# Altium PCB Van Battery Controller V1.PcbDoc (part 2 of 3) (continued)
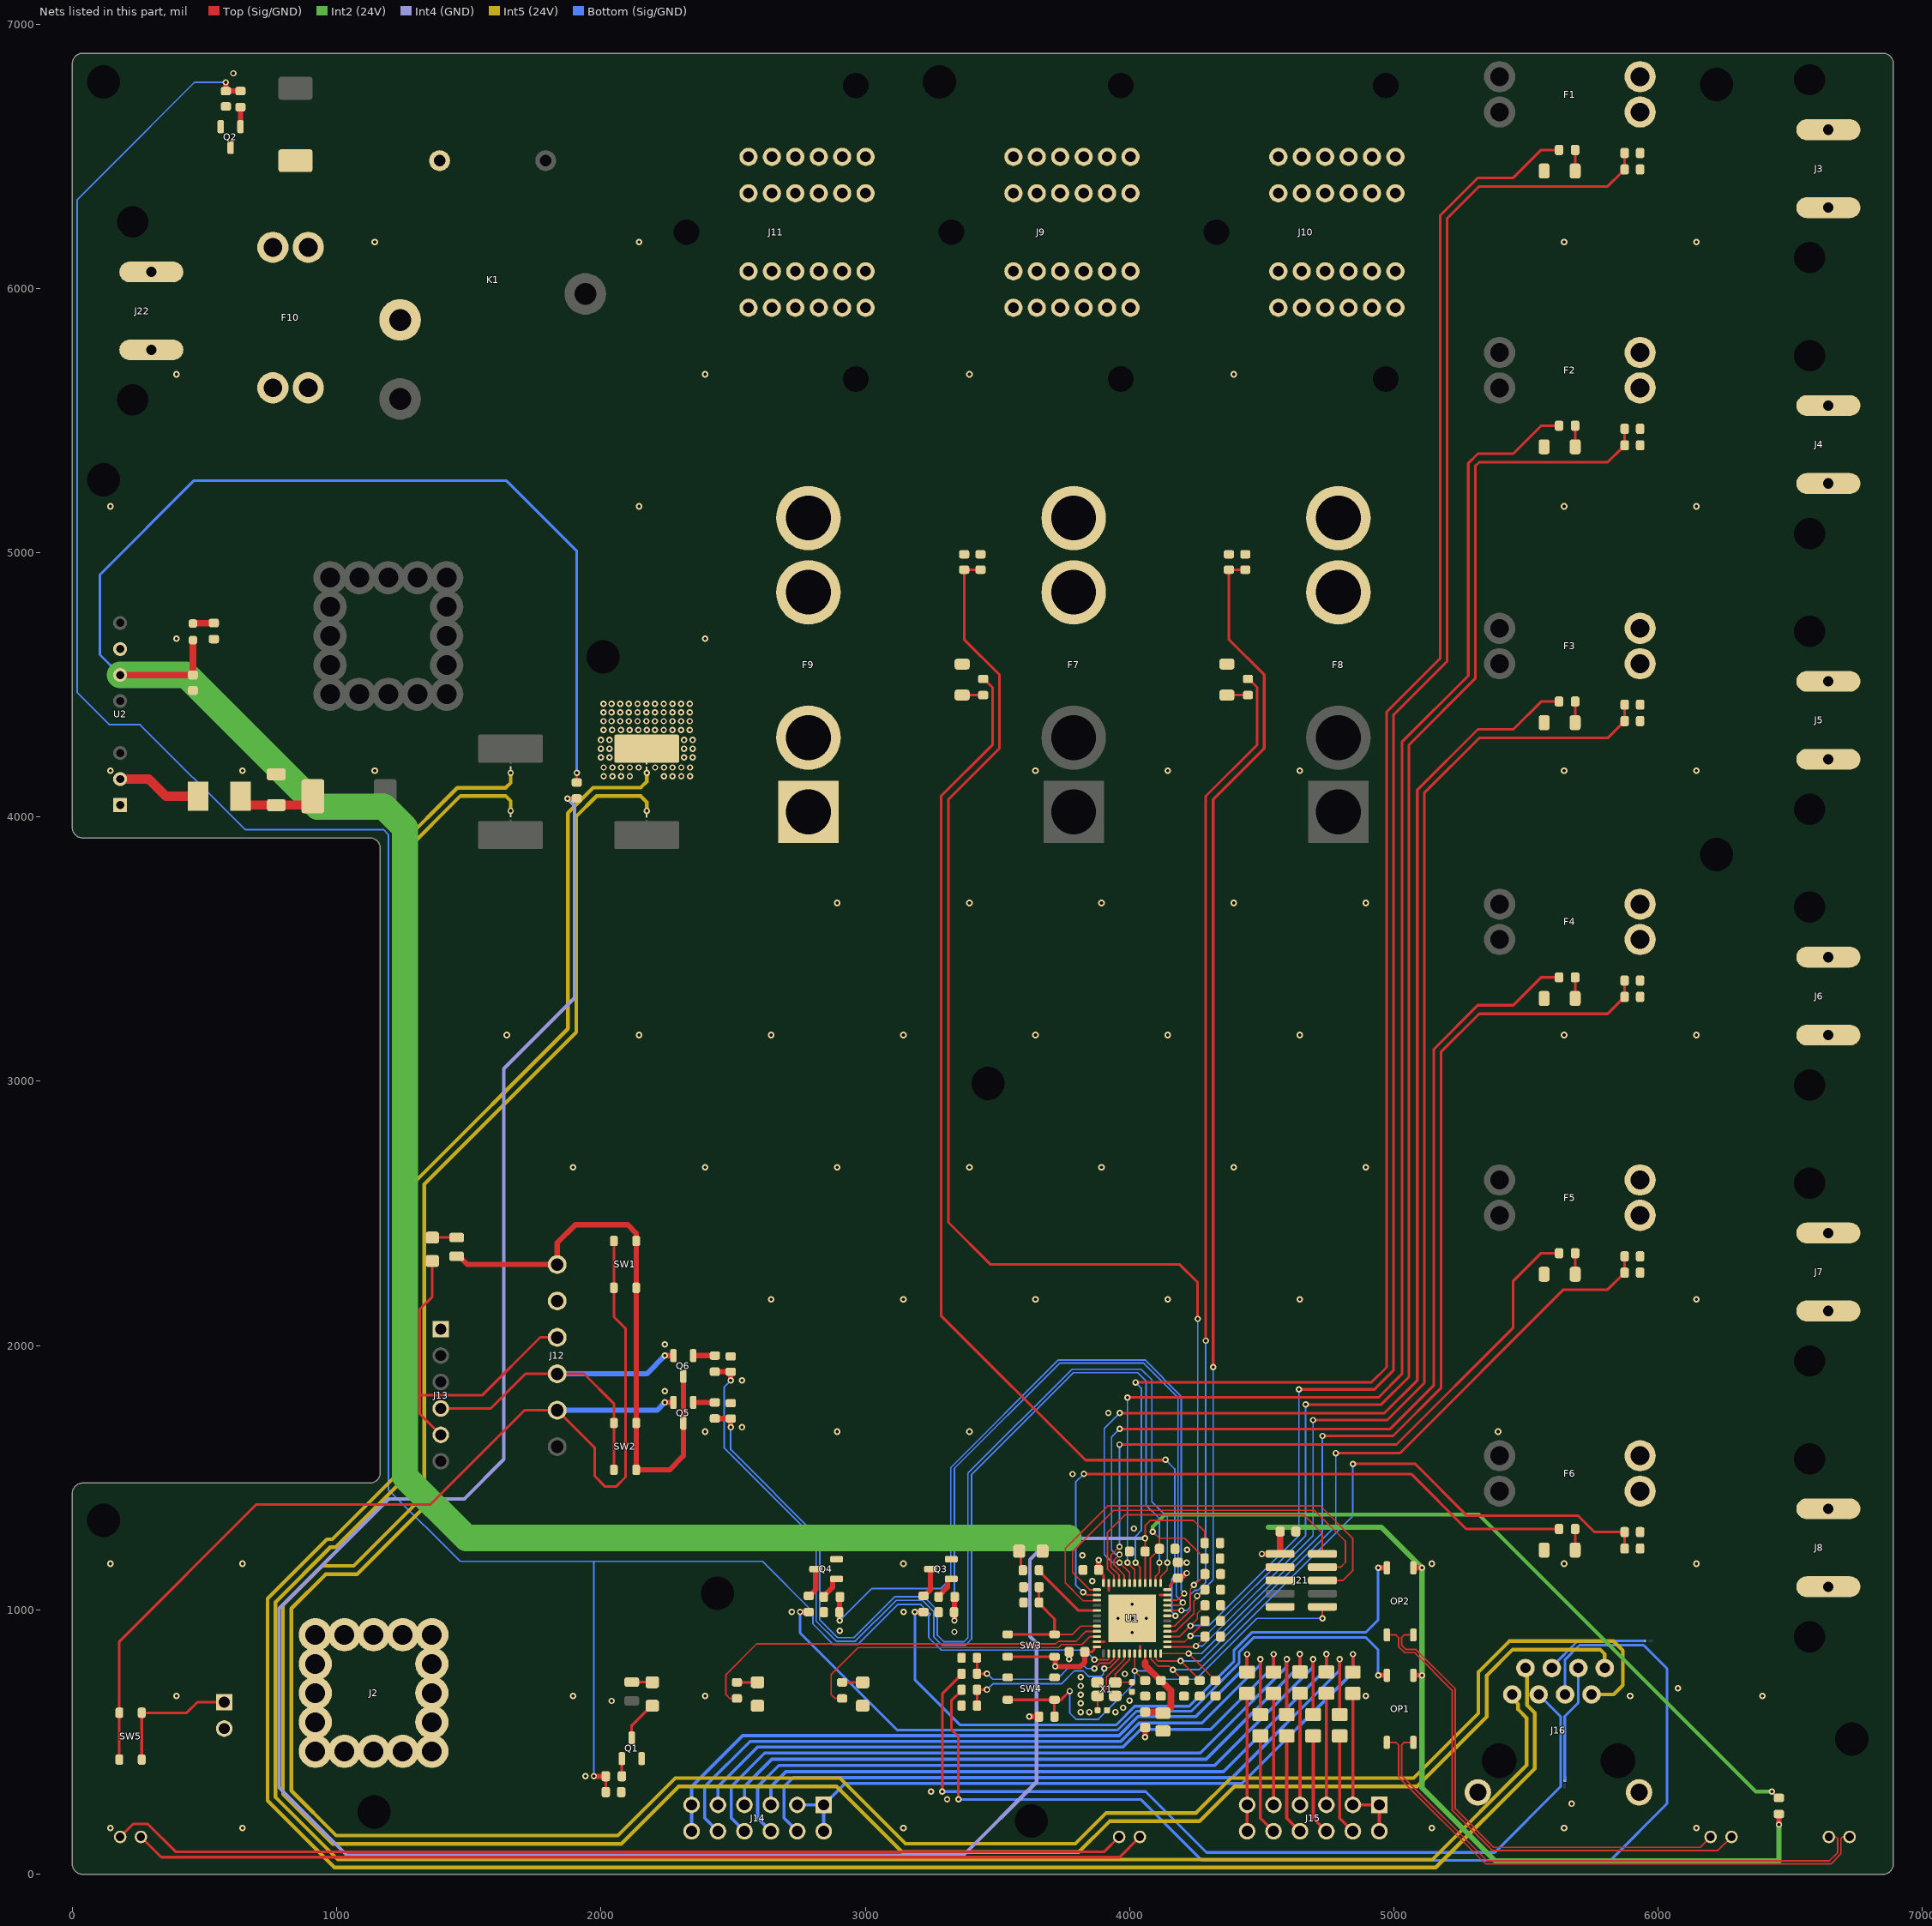
[diagram p8: the nets of this part, all layers, seen from the top]
## Nets (pads, with @x,y where several pads share a name; then routed paths per layer and width w, separated by ;. In a path a pad name is that pad's centre, name@x,y a point inside that pad or via, vN(x,y) a via of type N, cw(c..) or ccw(c..) an arc to the next point about the centre after c; other vN are vias at no path point) (continued)
30A_CKT2_FUSE_DETECT: C15.2 R11.1 R13.2 U1.14 | length 5910.1
  Top (Sig/GND) w6: U1.14@4142.91,879.72 4208.46,879.72 v1(4230.33,901.59) 4285.24,956.5 C15.2@4285.24,958.46
  Top (Sig/GND) w10: v1(4666.14,1777.36) 4952.56,1777.36 5056.89,1881.69 5056.89,4272.44 5307.87,4523.42 5307.87,5327.71 5322.64,5342.48 5809.19,5342.48 5860.62,5393.9 5862.44,5393.9 5873.17,5404.63 R13.2@5873.17,5406.45 R11.1@5873.17,5468.46
  Bottom (Sig/GND) w6: v1(4230.33,901.59) 4286.24,901.59 4666.14,1281.49 v1(4666.14,1777.36)
30A_CKT2_FUSE_LED: R25.1 U1.30 | length 5740.8
  Top (Sig/GND) w6: v1(3992.06,1179.17) 4019.49,1151.74 U1.30@4019.49,1101.57
  Top (Sig/GND) w10: v1(3992.06,1803.81) 4941.6,1803.81 5030.44,1892.65 5030.44,4283.4 5281.43,4534.38 5281.43,5338.67 5317.72,5374.96 5451.57,5374.96 5556.89,5480.27 R25.1@5624.8,5480.27
  Bottom (Sig/GND) w6: v1(3992.06,1179.17) v1(3992.06,1803.81)
30A_CKT3_FUSE_DETECT: C17.2 R15.1 R17.2 U1.13 | length 4858.3
  Top (Sig/GND) w6: U1.13@4142.91,860.04 4247.83,860.04 v1(4251.31,863.51) 4285.24,897.44 C17.2@4285.24,899.41
  Top (Sig/GND) w10: v1(4694.49,1718.43) 4975.32,1718.43 5114.83,1857.94 5114.83,4091.17 5322.64,4298.97 5809.19,4298.97 5860.62,4350.39 5862.44,4350.39 5873.17,4361.12 R17.2@5873.17,4362.95 R15.1@5873.17,4424.96
  Bottom (Sig/GND) w6: v1(4251.31,863.51) 4276.43,863.51 4694.49,1281.58 v1(4694.49,1718.43)
30A_CKT3_FUSE_LED: R27.1 U1.31 | length 4808.9
  Top (Sig/GND) w6: v1(3961.89,1179.17) 3999.8,1141.26 U1.31@3999.8,1101.57
  Top (Sig/GND) w10: v1@3961.89,1744.88 v1(3962.4,1744.88) 4964.37,1744.88 5088.39,1868.9 5088.39,4102.12 5317.72,4331.45 5451.57,4331.45 5556.89,4436.77 R27.1@5624.8,4436.77
  Bottom (Sig/GND) w6: v1(3961.89,1179.17) 3934.75,1179.17 3904.39,1209.53 3904.39,1686.87 v1(3962.4,1744.88)
30A_CKT4_FUSE_DETECT: C19.2 R19.1 R21.2 U1.12 | length 3950.7
  Top (Sig/GND) w6: U1.12@4117.91,835.04 v1(4223.29,835.04) C19.2@4325.27,733.06
  Top (Sig/GND) w10: v1(4729.7,1658.27) 4997.03,1658.27 5177.95,1839.19 5177.95,3110.78 5322.64,3255.47 5809.19,3255.47 5860.62,3306.89 5862.44,3306.89 5873.17,3317.62 R21.2@5873.17,3319.44 R19.1@5873.17,3381.45
  Bottom (Sig/GND) w6: v1(4223.29,835.04) 4272.05,835.04 4729.7,1292.68 v1(4729.7,1658.27)
30A_CKT4_FUSE_LED: R29.1 U1.32 | length 3756.6
  Top (Sig/GND) w6: v1(3961.89,1209.34) 3940.89,1188.34 3940.89,1170.36 3980.12,1131.14 U1.32@3980.12,1101.57
  Top (Sig/GND) w10: v1(3962.4,1684.84) 4986.02,1684.84 5151.38,1850.2 5151.38,3121.79 5317.63,3288.04 ; 5317.72,3287.95 5451.57,3287.95 5556.89,3393.26 R29.1@5624.8,3393.26
  Bottom (Sig/GND) w6: v1(3961.89,1209.34) 3960.12,1211.12 3945.97,1211.12 3931.72,1225.36 3931.72,1654.16 v1(3962.4,1684.84)
30A_CKT5_FUSE_DETECT: C14.2 R8.1 R10.2 U1.11 | length 2713.3
  Top (Sig/GND) w6: U1.11@4098.23,835.04 4100.54,832.72 4100.54,813.43 4106.92,807.06 v1(4193.49,807.06) C14.2@4265.52,735.03
  Top (Sig/GND) w10: v1(4780.31,1593.31) 5023.04,1593.31 5641.69,2211.96 5809.19,2211.96 R10.2@5860.62,2263.38 ; R10.2@5873.17,2275.94 R8.1@5873.17,2337.95
  Bottom (Sig/GND) w6: v1(4193.49,807.06) 4268.76,807.06 4780.31,1318.61 v1(4780.31,1593.31)
30A_CKT5_FUSE_LED: R24.1 U1.33 | length 2617.2
  Top (Sig/GND) w6: U1.33@3960.43,1101.57 3960.43,1132.01 3928.89,1163.55 3928.89,1206.51 v1(3961.89,1239.51)
  Top (Sig/GND) w10: v1(3961.89,1625.79) 5009.58,1625.79 5451.57,2067.78 5451.57,2244.44 5556.89,2349.76 R24.1@5624.8,2349.76
  Bottom (Sig/GND) w6: v1(3961.89,1239.51) v1(3961.89,1625.79)
30A_CKT6_FUSE_DETECT: C16.2 R12.1 R14.2 U1.10 | length 2496
  Top (Sig/GND) w6: U1.10@4078.54,835.04 4080.86,832.72 4080.86,813.43 4106.92,787.37 4150.33,787.37 v1(4163.79,773.91) 4204.64,733.06 C16.2@4205.78,733.06
  Top (Sig/GND) w10: v1@4844.68,1552.53 5080.94,1552.53 5277.1,1356.37 5697.37,1356.37 5759.3,1294.44 R12.1@5873.17,1294.44 R14.2@5873.17,1232.43
  Bottom (Sig/GND) w6: v1(4163.79,773.91) 4262.39,773.91 4844.68,1356.2 v1(4844.68,1551.96)
30A_CKT6_FUSE_LED: R26.1 U1.38 | length 2412.5
  Top (Sig/GND) w6: v1(3824.19,1066.7) 3829.06,1066.7 3838.87,1056.89 U1.38@3876.38,1056.89
  Top (Sig/GND) w10: v1(3827.31,1514.57) 5065.21,1514.57 5273.53,1306.25 5556.89,1306.25 R26.1@5624.8,1306.25
  Bottom (Sig/GND) w6: v1(3824.19,1066.7) 3796.06,1094.83 3796.06,1483.32 v1(3827.31,1514.57)
30A_CKT_1_FUSED: F1.3 F1.4 J3.1 R7.2
30A_CKT_2_FUSED: F2.3 F2.4 J4.1 R11.2
30A_CKT_3_FUSED: F3.3 F3.4 J5.1 R15.2
30A_CKT_4_FUSED: F4.3 F4.4 J6.1 R19.2
30A_CKT_5_FUSED: F5.3 F5.4 J7.1 R8.2
30A_CKT_6_FUSED: F6.3 F6.4 J8.1 R12.2
60A_CKT1_FUSE_DETECT: C18.2 R16.1 R18.2 U1.17 | length 5126.1
  Top (Sig/GND) w6: U1.17@4142.91,938.78 4169.94,938.78 4230.33,999.16 4230.33,1078.18 4243.35,1091.21 v1(4243.35,1094.86) ; v1@4244.89,1093.32 4285.24,1133.66 C18.2@4285.24,1135.63
  Top (Sig/GND) w10: R16.1@3436.19,4935.63 R18.2@3374.18,4935.63 3374.18,4671.45 3507.6,4538.03 3507.6,4259.57 3314.76,4066.73 3314.76,2466.34 3474.21,2306.89 4189.76,2306.89 4257.68,2238.98 v1(4257.68,2101.18)
  Bottom (Sig/GND) w6: v1(4243.35,1094.86) 4243.35,1095.9 4257.68,1110.23 v1(4257.68,2101.18)
60A_CKT1_FUSE_LED: R28.1 U1.19 | length 4224.9
  Top (Sig/GND) w6: U1.19@4142.91,978.15 v1(4173.81,978.15)
  Top (Sig/GND) w10: R28.1@3449.36,4522.28 3481.03,4490.62 3481.03,4272.84 3286.58,4078.4 3286.58,2113.71 3833.56,1566.73 4133.66,1566.73 v1(4135.63,1568.7)
  Bottom (Sig/GND) w6: v1(4135.63,1568.7) 4171.06,1533.27 4171.06,1128.74 4160.21,1117.89 4160.21,992.34 4173.81,978.75 v1(4173.81,978.15)
60A_CKT2_FUSE_DETECT: C20.2 R20.1 R22.2 U1.16 | length 4340.7
  Top (Sig/GND) w6: U1.16@4142.91,919.09 4175.89,919.09 4243.13,986.34 4243.13,1032.5 4285.24,1074.61 C20.2@4285.24,1076.57
  Top (Sig/GND) w10: v1(4316.37,1919.09) 4316.36,4066.73 4509.21,4259.57 4509.21,4538.03 4375.79,4671.45 R22.2@4375.79,4935.63 R20.1@4437.79,4935.63
  Bottom (Sig/GND) w6: v1(4255.38,1053.13) 4316.37,1114.12 v1(4316.37,1919.09)
60A_CKT2_FUSE_LED: R30.1 U1.20 | length 3732.3
  Top (Sig/GND) w6: U1.20@4142.91,997.83 4163.79,997.83 4165.12,999.16 4195.24,999.16 v1(4196.27,998.13)
  Top (Sig/GND) w10: v1(4288.19,2018.5) 4288.19,4078.4 4482.63,4272.84 4482.63,4490.62 4450.97,4522.28 R30.1@4447.82,4522.28
  Bottom (Sig/GND) w6: v1(4196.27,998.13) 4217.62,998.13 4229.13,1009.65 4229.13,1056.58 4246.68,1074.13 4257.59,1074.13 4288.19,1104.72 v1(4288.19,2018.5)
60A_CKT_1_FUSED: F7.3 F7.4 J9.1 J9.2 J9.3 J9.4 J9.5 J9.6 J9.7 J9.8 J9.9 J9.10 J9.11 J9.12 R16.2
60A_CKT_2_FUSED: F8.3 F8.4 J10.1 J10.2 J10.3 J10.4 J10.5 J10.6 J10.7 J10.8 J10.9 J10.10 J10.11 J10.12 R20.2
BOOT0: C8.2 R4.1 SW3.1 SW3.2 U1.44 | length 553.5
  Top (Sig/GND) w6: SW3.1@3716.18,907.54 3784.01,907.54 3815.24,938.78 U1.44@3876.38,938.78
  Top (Sig/GND) w10: SW3.2@3539.02,907.54 SW3.1@3716.18,907.54 3716.18,965.89 3657.28,1024.8 R4.1@3657.28,1028.14 3657.47,1028.34 3657.47,1086.02 C8.2@3657.67,1086.21
CELL_0: F12.1 J14.11 J14.12 | length 2570.6
  Top (Sig/GND) w12: F12.1@4444.68,765.05 v1(4444.68,832.72)
  Bottom (Sig/GND) w12: J14.12@2342.84,162.61 J14.11@2342.84,262.61 2342.84,331.5 2536.17,524.83 3960.14,524.83 4031.83,596.52 4250.43,596.52 4444.68,790.78 v1(4444.68,832.72)
CELL_0_FUSED: F12.2 J15.11 J15.12 | length 521.7
  Top (Sig/GND) w12: J15.12@4444.68,162.61 J15.11@4444.68,262.61 F12.2@4444.68,684.35
CELL_1: F13.1 J14.10 | length 2712.5
  Top (Sig/GND) w12: F13.1@4494.81,604.14 v1(4494.81,813.43)
  Bottom (Sig/GND) w12: J14.10@2442.84,162.61 2392.72,212.74 2392.72,331.5 2564.15,502.93 3967.14,502.93 4036.71,572.5 4274.14,572.5 4494.81,793.17 v1(4494.81,813.43)
CELL_1_FUSED: F13.2 J15.10 | length 381.5
  Top (Sig/GND) w12: F13.2@4494.81,523.43 4494.81,212.49 J15.10@4544.68,162.61
CELL_2: F14.1 J14.9 | length 2473.1
  Top (Sig/GND) w12: F14.1@4544.68,765.05 v1(4544.68,832.72)
  Bottom (Sig/GND) w12: J14.9@2442.84,262.61 2442.84,331.5 2592.49,481.14 3975.01,481.14 4042.13,548.26 4306.42,548.26 4544.68,786.53 v1(4544.68,832.72)
CELL_2_FUSED: F14.2 J15.9 | length 421.9
  Top (Sig/GND) w12: J15.9@4544.68,262.61 F14.2@4544.68,684.35 F14.2@4544.68,684.5
CELL_3: F15.1 J14.8 | length 2716.9
  Top (Sig/GND) w12: F15.1@4594.81,604.14 v1(4594.81,813.43)
  Bottom (Sig/GND) w12: J14.8@2542.84,162.61 2492.72,212.74 2492.72,331.5 2619.78,458.56 4267.62,458.56 4592.51,783.46 4592.51,811.14 v1(4594.81,813.43)
CELL_3_FUSED: F15.2 J15.8 | length 381.5
  Top (Sig/GND) w12: F15.2@4594.81,523.43 4594.81,212.49 J15.8@4644.68,162.61
CELL_4: F16.1 J14.7 | length 2471
  Top (Sig/GND) w12: F16.1@4644.45,765.29 v1(4644.45,832.96)
  Bottom (Sig/GND) w12: J14.7@2542.84,262.61 2542.84,331.5 2646.54,435.19 4289.52,435.19 4644.45,790.12 v1(4644.45,832.96)
CELL_4_FUSED: F16.2 J15.7 | length 422.1
  Top (Sig/GND) w12: J15.7@4644.68,262.61 F16.2@4644.68,684.74
CELL_5: F17.1 J14.6 | length 2717.5
  Top (Sig/GND) w12: F17.1@4694.49,604.14 v1(4694.49,813.43)
  Bottom (Sig/GND) w12: J14.6@2642.84,162.61 2592.72,212.74 2592.72,331.5 2673.04,411.82 4322.25,411.82 4693.87,783.43 4693.87,812.81 v1(4694.49,813.43)
CELL_5_FUSED: F17.2 J15.6 | length 381.5
  Top (Sig/GND) w12: F17.2@4694.81,523.43 4694.81,212.49 J15.6@4744.68,162.61
CELL_6: F18.1 J14.5 | length 2478.1
  Top (Sig/GND) w12: F18.1@4744.45,765.29 v1(4744.45,832.96)
  Bottom (Sig/GND) w12: J14.5@2642.84,262.61 2642.84,331.5 2699.79,388.45 4354.98,388.45 4744.45,777.91 v1(4744.45,832.96)
CELL_6_FUSED: F18.2 J15.5 | length 422
  Top (Sig/GND) w12: J15.5@4744.68,262.61 F18.2@4744.68,684.58
CELL_7: F19.1 J14.4 | length 2724.8
  Top (Sig/GND) w12: F19.1@4794.81,604.14 v1(4794.81,813.43)
  Bottom (Sig/GND) w12: J14.4@2742.84,162.61 2692.72,212.74 2692.72,331.5 2726.69,365.47 4388.11,365.47 4794.81,772.17 v1(4794.81,813.43)
CELL_7_FUSED: F19.2 J15.4 | length 381.5
  Top (Sig/GND) w12: F19.2@4794.81,523.43 4794.81,212.49 J15.4@4844.68,162.61
CELL_8: F20.1 J14.1 J14.2 J14.3 | length 2546.5
  Top (Sig/GND) w12: F20.1@4844.68,765.05 v1(4844.68,832.72)
  Bottom (Sig/GND) w12: J14.3@2742.84,262.61 J14.1@2842.84,262.61 ; J14.2@2842.84,162.61 J14.1@2842.84,262.61 ; v1(4844.68,832.72) 4844.68,762.99 4425.15,343.46 2923.69,343.46 J14.1@2842.84,262.61
CELL_8_FUSED: F20.2 J15.1 J15.2 J15.3 | length 622.1
  Top (Sig/GND) w12: F20.2@4844.68,684.74 F20.2@4844.68,684.35 J15.3@4844.68,262.61 J15.1@4944.68,262.61 J15.2@4944.68,162.61
CHG_SHNT_N: J16.7 NT3.1 | length 10532.1
  Int5 (24V) w14: v1@2173.49,4023.41 2173.49,4055.97 2150.28,4079.19 1983.71,4079.19 1906.47,4001.94 1906.47,3185.5 1331.67,2610.7 1331.67,1389.24 1077.88,1135.46 958.79,1135.46 828.72,1005.39 828.72,316.07 998.16,146.63 2063.95,146.63 2281.3,363.98 2904.13,363.98 3152.54,115.57 3794.78,115.57 3911.3,232.09 4251.25,232.09 4383.14,363.98 5074.61,363.98 5319.68,609.05 5319.68,765.06 5436.49,881.86 5831.32,881.86 5866.47,846.72 5866.47,715.37 5831.32,680.22 J16.7@5747.73,680.22
  other v1: 2173.71,4023.19
CHG_SHNT_P: J16.8 NT4.1 | length 10348.9
  Int5 (24V) w14: v1@2173.49,4166.63 2173.49,4134.07 2150.28,4110.85 1970.6,4110.85 1874.8,4015.06 1874.8,3198.62 1300,2623.82 1300,1402.36 1064.76,1167.13 945.67,1167.13 797.05,1018.5 797.05,302.95 985.04,114.96 2077.07,114.96 2294.42,332.31 2891.02,332.31 3139.42,83.9 3807.9,83.9 3924.42,200.42 4264.37,200.42 4396.26,332.31 5087.72,332.31 5351.35,595.94 5351.35,751.94 5449.61,850.2 5780.26,850.2 5797.73,832.72 J16.8@5797.73,780.22
  other v1: 2173.71,4166.85
DSCHG_SHNT_N: J16.1 NT2.1 | length 9593.9
  Int5 (24V) w14: v1@1658.05,4023.41 1658.27,4023.62 1658.27,4060.94 1639.42,4079.78 1468.94,4079.78 1255.44,3866.29 1255.44,1496.2 996.41,1237.17 976.11,1237.17 769.05,1030.1 769.05,291.35 1004.5,55.9 5145.81,55.9 5502.32,412.41 5502.32,590.98 5470,623.3 5470,644.02 5447.73,666.29 J16.1@5447.73,680.22
  other v1: 1658.27,4023.19
DSCHG_SHNT_P: J16.2 NT1.1 | length 9837.2
  Int5 (24V) w14: v1@1658.05,4166.63 1658.27,4166.41 1658.27,4129.1 1639.42,4110.25 1456.31,4110.25 1224.97,3878.91 1224.97,1508.82 983.79,1267.64 963.49,1267.64 738.58,1042.72 738.58,278.73 991.88,25.43 5158.43,25.43 5532.79,399.79 5532.79,610.48 5503.82,639.45 5503.82,774.13 J16.2@5497.73,780.22
  other v1: 1658.27,4166.85
EXT_IO_3_N: J16.3 R38.2 | length 3397
  Top (Sig/GND) w10: v1(3291.34,312.79) 3291.34,682.24 3364.37,755.27 R38.2@3364.37,758.62
  Bottom (Sig/GND) w10: v1(3291.34,312.79) 4060.83,312.79 4291.14,82.48 5381.69,82.48 5630.59,331.38 5630.59,597.37 J16.3@5547.73,680.22
EXT_IO_3_P: J16.6 NT5.1 | length 441.4
  Bottom (Sig/GND) w10: NT5.1@5646.59,360.04 5646.59,597.38 5697.73,648.52 J16.6@5697.73,780.22
EXT_IO_4_N: J16.5 R39.2 | length 4395.9
  Top (Sig/GND) w10: v1(3352.36,283.27) 3352.36,521.51 3325.61,548.26 3325.61,656.25 3364.37,695.02 R39.2@3364.37,698.36
  Bottom (Sig/GND) w10: v1(3352.36,283.27) 4042.13,283.27 4272.44,52.95 5819.68,52.95 6033.61,266.88 6033.61,778 5944.68,866.93 5702.55,866.93 5647.73,812.11 J16.5@5647.73,680.22
EXT_IO_4_P: J16.4 NT6.1 | length 391.2
  Bottom (Sig/GND) w10: J16.4@5597.73,780.22 5597.73,784.74 5695.92,882.93 NT6.1@5943.7,882.93
GIGAVAC_CLOSE_PULSE: R48.1 R49.2 U1.25 | length 4047.3
  Top (Sig/GND) w6: U1.25@4117.91,1101.57 4117.91,1126.55 4142.91,1151.55 v1(4142.91,1179.17)
  Top (Sig/GND) w20: R48.1@2431.12,1724.11 R49.2@2490.85,1724.11 ; v1(2490.94,1691.14) R49.2@2490.94,1724.02
  Bottom (Sig/GND) w6: v1(2490.94,1691.14) 2490.94,1606.8 2827.82,1269.92 2827.82,963.12 2895.91,895.03 2956.79,895.03 3111.38,1049.62 3222.33,1049.62 3272.44,999.51 3272.44,904.33 3297.05,879.72 3373.28,879.72 3388.58,895.03 3388.58,1517.52 3781.91,1910.84 4044.47,1910.84 4084.34,1870.97 4084.34,1409.06 4142.91,1350.49 v1(4142.91,1179.17)
GIGAVAC_OPEN_PULSE: R50.1 R51.2 U1.26 | length 4223.3
  Top (Sig/GND) w6: U1.26@4098.23,1101.57 4098.23,1127.49 4112.74,1142 v1(4112.74,1179.17)
  Top (Sig/GND) w20: R50.1@2431.03,1901.37 2431.12,1901.27 R51.2@2490.85,1901.27 ; v1(2490.85,1868.4) R51.2@2490.85,1901.27 ; R51.2@2490.94,1901.18 R51.2@2490.85,1901.27
  Bottom (Sig/GND) w6: v1(2490.85,1868.4) 2466.34,1843.89 2466.34,1612.45 2814.42,1264.37 2814.42,957.57 2890.36,881.63 2962.34,881.63 3116.93,1036.22 3216.78,1036.22 3259.04,993.96 3259.04,898.78 3291.5,866.32 3378.83,866.32 3401.98,889.48 3401.98,1511.97 3787.46,1897.44 4030.31,1897.44 4063,1864.76 4063,1395.27 4112.74,1345.52 v1(4112.74,1179.17)
GND: C1.1 C2.1 C3.1 C4.1 C5.1 C6.1 C7.1 C8.1 C9.1 C10.1 C11.1 C12.1 C13.1 C14.1 C15.1 C16.1 C17.1 C18.1 C19.1 C20.1 C21.1 C22.1 D4.C D5.C D6.C D7.C D8.C D9.C D10.C D11.C D12.C D13.C D16.C J2.1 J2.2 J2.3 J2.4 J2.5 J2.6 J2.7 J2.8 J2.9 J2.10 J2.11 J2.12 J2.13 J2.14 J2.15 J2.16 J3.2 J4.2 J5.2 J6.2 J7.2 J8.2 J9.13 J9.14 J9.15 J9.16 J9.17 J9.18 J9.19 J9.20 J9.21 J9.22 J9.23 J9.24 J10.13 J10.14 J10.15 J10.16 J10.17 J10.18 J10.19 J10.20 J10.21 J10.22 J10.23 J10.24 J11.13 J11.14 J11.15 J11.16 J11.17 J11.18 J11.19 J11.20 J11.21 J11.22 J11.23 J11.24 J12.2 J13.1 J16.0@5317.81,310.14 J16.0@5927.65,310.14 J21.3 J21.5 J21.9 J22.2 J23.2 Q1.2 Q2.2 Q3.2 Q4.2 R4.2 R5.2 R9.1 R10.1 R13.1 R14.1 R17.1 R18.1 R21.1 R22.1 R35.2 R37.2 R40.1 R41.1 R44.1 R45.1 R49.1 R51.1 R52.1 R54.1 SW4.1 SW4.2 U1.8 U1.23 U1.35 U1.47 U1.49 U2.1 U2.7 X1.2 X1.4 | length 115.7
  Top (Sig/GND) w10: U1.47@3876.38,879.72 3905.25,879.72 ; 3920.93,1072.57 3921.06,1072.7 U1.35@3921.06,1101.57 ; U1.8@4039.17,835.04 4039.17,863.91 ; 4114.04,1056.89 U1.23@4142.91,1056.89
  other v1: 5672.39,266.88 3309.61,283.27 3248.59,312.79 1941.91,370.87 3814.76,613.56 3847.84,613.56 3946.26,613.56 3975.24,629.91 3814.76,646.64 2040.33,655.94 4000.22,657.28 3814.76,679.71 6074.61,703.54 3814.76,712.79 3814.76,745.87 3981.83,758.27 3771.42,814.11 4009.65,914.96 3337.22,916.93 2903.08,921.46 3956.3,968.31 4009.65,968.31 4063,968.31 2722.24,992.36 3144.67,992.36 4009.65,1021.66 3859.31,1109.66 4216.3,1179.17 3821.98,1206.51 4216.89,1227.3 4016.35,1308.02 3784.03,1514.04 2533.7,1691.14 3919.65,1744.88 2241.54,1827.99 2533.6,1868.4 2241.54,2005.15 609.16,6813.51
  other v2: 144.02,174.92 644.02,174.92 3144.02,174.92 5144.02,174.92 5644.02,174.92 6144.02,174.92 394.02,674.92 1894.02,674.92 2394.02,674.92 4894.02,674.92 5894.02,674.92 6394.02,674.92 144.02,1174.92 644.02,1174.92 3144.02,1174.92 5144.02,1174.92 5644.02,1174.92 6144.02,1174.92 2394.02,1674.92 2894.02,1674.92 3394.02,1674.92 5394.02,1674.92 2644.02,2174.92 3144.02,2174.92 3644.02,2174.92 4144.02,2174.92 4644.02,2174.92 6144.02,2174.92 1894.02,2674.92 2394.02,2674.92 2894.02,2674.92 3394.02,2674.92 3894.02,2674.92 4394.02,2674.92 4894.02,2674.92 1644.02,3174.92 2144.02,3174.92 2644.02,3174.92 3144.02,3174.92 3644.02,3174.92 4144.02,3174.92 4644.02,3174.92 5644.02,3174.92 6144.02,3174.92 2894.02,3674.92 3394.02,3674.92 3894.02,3674.92 4394.02,3674.92 4894.02,3674.92 144.02,4174.92 644.02,4174.92 1144.02,4174.92 3644.02,4174.92 4144.02,4174.92 4644.02,4174.92 5644.02,4174.92 6144.02,4174.92 394.02,4674.92 2394.02,4674.92 144.02,5174.92 2144.02,5174.92 5644.02,5174.92 6144.02,5174.92 394.02,5674.92 2394.02,5674.92 3394.02,5674.92 4394.02,5674.92 1144.02,6174.92 2144.02,6174.92 5644.02,6174.92 6144.02,6174.92
GV_INTERNAL_V+: J12.1 Q5.3 Q6.3 R3.1 SW1.1 SW1.2 SW2.1 SW2.2 | length 2212
  Top (Sig/GND) w20: R3.1@1454.17,2337.72 1464.01,2337.72 1494.84,2306.89 J12.1@1834.45,2306.89 1834.45,2388.58 1903.35,2457.48 2101.41,2457.48 2133.46,2425.42 SW1.2@2133.46,2395.9 SW1.1@2133.46,2218.73 SW2.2@2133.46,1707.33 SW2.1@2133.46,1530.16 2259.49,1530.16 2311.81,1582.48 Q5.3@2311.81,1706.5 Q6.3@2311.81,1883.66
GV_LED_CATHODE/TX_TO_HOST: D1.C J12.3 J13.5 | length 1320.5
  Top (Sig/GND) w10: D1.C@1362.01,2320.28 1362.01,2185.16 1314.76,2137.92 1314.76,1812.81 ; J13.5@1394.13,1662.4 1314.76,1741.76 1314.76,1812.81 ; J12.3@1834.45,2031.3 1770.47,2031.3 1551.98,1812.81 1314.76,1812.81
GV_MPUSH_START/FTDI_VBATT+: J12.5 Q5.2 SW1.3 SW1.4 SW5.3 SW5.4 | length 4286.1
  Top (Sig/GND) w10: SW5.3@177.95,433.92 SW5.4@177.95,611.08 177.95,880.71 696.65,1399.41 1355.12,1399.41 1711.42,1755.71 J12.5@1834.45,1755.71 1976.97,1613.19 1976.97,1505.9 2016.54,1466.34 2056.84,1466.34 2093.31,1502.8 2093.31,2064.76 2048.82,2109.25 SW1.3@2048.82,2218.73 SW1.4@2048.82,2395.9
  Top (Sig/GND) w20: v1(2241.54,1785.24) Q5.2@2274.41,1785.24
  Bottom (Sig/GND) w20: J12.5@1834.45,1755.71 2211.67,1755.71 2241.19,1785.24 v1(2241.54,1785.24)
GV_MPUSH_STOP/RX_TO_HOST: J12.4 J13.4 Q6.2 SW2.3 SW2.4 | length 1474.8
  Top (Sig/GND) w10: J13.4@1394.13,1762.4 1583.26,1762.4 1714.37,1893.5 J12.4@1834.45,1893.5 1936.02,1893.5 2048.82,1780.7 SW2.4@2048.82,1707.33 SW2.3@2048.82,1530.16
  Top (Sig/GND) w20: v1(2241.54,1962.4) Q6.2@2274.41,1962.4
  Bottom (Sig/GND) w20: J12.4@1834.45,1893.5 2172.64,1893.5 v1(2241.54,1962.4)
HEATER_EN: R34.1 R35.1 R36.1 R37.1 U1.2 | length 10721
  Top (Sig/GND) w6: v1(3866.73,811.81) 3867.46,811.08 3917.42,811.08 3920.93,814.59 3920.93,834.91 U1.2@3921.06,835.04
  Top (Sig/GND) w10: R34.1@2018.07,370.87 2018.29,370.65 2018.29,311.04 R35.1@2018.5,310.83
  Top (Sig/GND) w20: R37.1@580.95,6746.68 v1(580.95,6779.56) ; R37.1@581.05,6746.58 R36.1@636.32,6746.58 ; v1(1972.94,370.87) R34.1@2018.07,370.87
  Bottom (Sig/GND) w6: v1(580.95,6779.56) 462.63,6779.56 132.68,6449.61 18,6334.93 18,4472.75 141.54,4349.21 256.69,4349.21 653.35,3952.56 1176.97,3952.56 1195.87,3933.66 1195.87,1455.31 1467.32,1183.86 1973.23,1183.86 ; v1(1972.94,370.87) 1972.94,1183.57 1973.23,1183.86 ; v1(3866.73,811.81) 3830.29,848.25 3287.18,848.25 3239.96,895.47 3239.96,976.98 3244.55,981.57 3244.55,986.54 3210.62,1020.47 3122.83,1020.47 2971.99,869.63 2879.65,869.63 2801.97,947.31 2801.97,993.24 2611.35,1183.86 1973.23,1183.86
JTAG_TCK/CLK: J21.4 U1.37 | length 1518.9
  Top (Sig/GND) w6: U1.37@3876.38,1076.57 3849.25,1076.57 3784.01,1141.82 3784.01,1221.02 3940.19,1377.19 4699.18,1377.19 4816.73,1259.65 4816.73,1179.92 4798.75,1161.94 J21.4@4729.7,1161.94
JTAG_TDO/TRACESWO: J21.6 U1.39 | length 1736.4
  Top (Sig/GND) w6: U1.39@3876.38,1037.2 3874.06,1034.89 3824.01,1034.89 3756.63,1102.27 3756.63,1232.36 3918.34,1394.07 4721.03,1394.07 4844.11,1270.99 4844.11,1148.25 4807.8,1111.94 J21.6@4729.7,1111.94
JTAG_TMS/DIO: J21.2 U1.34 | length 1148.7
  Top (Sig/GND) w6: U1.34@3940.75,1101.57 3940.75,1130.09 3916.89,1153.95 3916.89,1293.58 3983.63,1360.32 4657.99,1360.32 4729.7,1288.61 J21.2@4729.7,1211.94
NetC5_2: C5.2 D3.1 L1.1 | length 308.5
  Top (Sig/GND) w35: L1.1@636.24,4078.54 636.24,4066.62 657.74,4045.12 C5.2@771.46,4045.12 876.61,4045.12 D3.1@910.04,4078.54
NetD1_A: D1.A R3.2 | length 92.2
  Top (Sig/GND) w10: D1.A@1362.01,2408.86 1362.07,2408.92 1454.11,2408.92 R3.2@1454.17,2408.98
NetD2_C: D2.C R5.1 | length 79.6
  Top (Sig/GND) w25: D2.C@456.5,4732.09 457.5,4733.09 534.23,4733.09 R5.1@535.24,4734.09
NetD4_A: D4.A R23.2 | length 79.7
  Top (Sig/GND) w10: D4.A@5685.83,6444.05 R23.2@5685.83,6523.78
NetD5_A: D5.A R24.2 | length 79.7
  Top (Sig/GND) w10: D5.A@5685.83,2270.03 R24.2@5685.83,2349.76
NetD6_A: D6.A R25.2 | length 79.7
  Top (Sig/GND) w10: D6.A@5685.83,5400.55 R25.2@5685.83,5480.27
NetD7_A: D7.A R26.2 | length 79.7
  Top (Sig/GND) w10: D7.A@5685.83,1226.53 R26.2@5685.83,1306.25
NetD8_A: D8.A R27.2 | length 79.7
  Top (Sig/GND) w10: D8.A@5685.83,4357.04 R27.2@5685.83,4436.77
NetD9_A: D9.A R28.2 | length 79.7
  Top (Sig/GND) w10: D9.A@3366.49,4461.26 R28.2@3446.21,4461.26
NetD10_A: D10.A R29.2 | length 79.7
  Top (Sig/GND) w10: D10.A@5685.83,3313.54 R29.2@5685.83,3393.26
NetD11_A: D11.A R30.2 | length 79.7
  Top (Sig/GND) w10: D11.A@4368.1,4461.26 R30.2@4447.82,4461.26
NetD12_A: D12.A R46.2 | length 77.8
  Top (Sig/GND) w10: R46.2@2514.5,726.21 D12.A@2592.25,726.21
NetD13_A: D13.A R47.2 | length 77.8
  Top (Sig/GND) w10: R47.2@2912.5,726.21 D13.A@2990.25,726.21
NetD14_2: D14.2 K1.2 Q2.3
NetD15_A: D15.A R33.2 | length 78.2
  Top (Sig/GND) w10: R33.2@2116.5,727.2 2116.99,726.7 2193.76,726.7 D15.A@2194.25,726.21
NetD15_C: D15.C Q1.3 | length 155.2
  Top (Sig/GND) w10: Q1.3@2116.5,516.32 2116.5,562.83 2191.3,637.63 D15.C@2194.25,637.63
NetD16_A: D16.A R53.2 | length 78.2
  Top (Sig/GND) w10: D16.A@3582.3,1222.65 3589.27,1215.67 3589.27,1157.17 R53.2@3596.25,1150.19
NetF9_1: F9.1 F9.2 NT4.2 R2.2
  other v1: 2010.46,4154.35 2043.4,4154.35 2076.34,4154.35 2109.28,4154.35 2238.14,4154.35 2271.08,4154.35 2304.02,4154.35 2336.96,4154.35 2010.46,4187.28 2043.4,4187.28 2076.34,4187.28 2109.28,4187.28 2142.22,4187.28 2205.21,4187.28 2238.14,4187.28 2271.08,4187.28 2304.02,4187.28 2336.96,4187.28 1999.57,4225.47 2032.51,4225.47 2314.19,4225.47 2347.12,4225.47 1999.57,4258.41 2032.51,4258.41 2314.19,4258.41 2347.12,4258.41 1999.57,4291.34 2032.51,4291.34 2314.19,4291.34 2347.12,4291.34 2009.73,4329.53 2042.67,4329.53 2075.61,4329.53 2108.55,4329.53 2141.49,4329.53 2172.98,4329.53 2204.48,4329.53 2237.41,4329.53 2270.35,4329.53 2303.29,4329.53 2336.23,4329.53 2009.73,4362.47 2039.78,4362.47 2072.72,4362.47 2105.66,4362.47 2138.6,4362.47 2171.54,4362.47 2204.48,4362.47 2237.41,4362.47 2270.35,4362.47 2303.29,4362.47 2336.23,4362.47 2009.73,4395.4 2039.78,4395.4 2072.72,4395.4 2105.66,4395.4 2138.6,4395.4 2171.54,4395.4 2204.48,4395.4 2237.41,4395.4 2270.35,4395.4 2303.29,4395.4 2336.23,4395.4 2009.73,4428.34 2039.78,4428.34 2072.72,4428.34 2105.66,4428.34 2138.6,4428.34 2171.54,4428.34 2204.48,4428.34 2237.41,4428.34 2270.35,4428.34 2303.29,4428.34 2336.23,4428.34
NetF10_1: F10.1 F10.2 K1.4
NetL1_2: L1.2 U2.2 | length 322.3
  Top (Sig/GND) w35: U2.2@180.91,4143.54 289.13,4143.54 354.13,4078.54 L1.2@476.24,4078.54
NetOP1_2: OP1.2 R32.2 | length 2770.6
  Top (Sig/GND) w20: v1(2753.28,992.36) R32.2@2786.15,992.36 ; v1(4940.55,752.85) OP1.2@4973.42,752.85
  Bottom (Sig/GND) w10: v1(2753.28,992.36) 2753.28,913.4 3121.18,545.49 3954.39,545.49 4025.82,616.93 4233.07,616.93 4414.01,797.86 4414.01,840.51 4469.96,896.46 4893.14,896.46 4940.55,849.04 v1(4940.55,752.85)
NetOP2_2: OP2.2 R31.2 | length 2532.5
  Top (Sig/GND) w20: v1(3187.42,992.36) R31.2@3220.29,992.36 ; v1(4940.55,1159.47) OP2.2@4973.42,1159.47
  Bottom (Sig/GND) w10: v1(3187.42,992.36) 3187.42,736.4 3359.05,564.76 3948.61,564.76 4019.48,635.63 4225.32,635.63 4395.3,805.61 4395.3,848.25 4462.21,915.16 4893.01,915.16 4940.55,962.69 v1(4940.55,1159.47)
NetQ1_1: Q1.1 R34.2 | length 66.7
  Top (Sig/GND) w10: R34.2@2079.09,370.87 Q1.1@2079.09,437.58
NetQ2_1: Q2.1 R36.2 | length 73.8
  Top (Sig/GND) w20: Q2.1@636.32,6611.74 R36.2@636.32,6685.56
NetQ3_1: Q3.1 R42.2 | length 95.2
  Top (Sig/GND) w20: R42.2@3277.38,1049.44 3277.38,1052.59 3311,1086.21 3311,1115.15 3313.2,1117.36 Q3.1@3325.61,1117.36
NetQ3_3: Q3.3 R31.1 | length 114.2
  Top (Sig/GND) w20: R31.1@3220.29,1053.38 3223.44,1053.38 3246.87,1076.81 Q3.3@3246.87,1154.76
NetQ4_1: Q4.1 R43.2 | length 95.2
  Top (Sig/GND) w20: R43.2@2843.24,1049.44 2843.24,1052.59 2876.86,1086.21 2876.86,1115.15 2879.06,1117.36 Q4.1@2891.46,1117.36
NetQ4_3: Q4.3 R32.1 | length 114.2
  Top (Sig/GND) w20: R32.1@2786.15,1053.38 2789.3,1053.38 2812.72,1076.81 Q4.3@2812.72,1154.76
NetQ5_1: Q5.1 R48.2 | length 81.8
  Top (Sig/GND) w20: Q5.1@2349.21,1785.24 R48.2@2431.03,1785.24
NetQ6_1: Q6.1 R50.2 | length 81.8
  Top (Sig/GND) w20: Q6.1@2349.21,1962.4 R50.2@2431.03,1962.4
NetR53_1: R53.1 U1.41 | length 284.1
  Top (Sig/GND) w10: R53.1@3657.28,1150.19 3657.28,1147.04 3806.49,997.83 U1.41@3876.38,997.83
nRST: C11.2 J21.10 R6.2 SW4.3 SW4.4 U1.7 | length 1735.2
  Top (Sig/GND) w6: SW4.3@3715.94,659.83 SW4.3@3716.18,660.07 ; U1.7@4019.49,835.04 v1(4019.49,769.45) 4055.88,733.06 C11.2@4058.86,733.06 ; v1(4729.7,968.31) J21.10@4729.7,1011.94
  Top (Sig/GND) w10: SW4.4@3539.02,660.07 SW4.3@3716.18,660.07 3740.62,660.07 v1(3773.53,692.98) ; R6.2@3715.94,596.52 SW4.3@3715.94,659.83
  Bottom (Sig/GND) w6: v1(3773.53,692.98) 3773.53,610.53 3797.65,586.42 3881.94,586.42 4019.49,723.97 v1(4019.49,769.45) 4084.34,769.45 4116.1,737.68 4251.75,737.68 4482.37,968.31 v1(4729.7,968.31)
NTC_N: J17.1 J18.1 | length 3843.1
  Top (Sig/GND) w10: J18.1@259.65,141.53 336.42,64.76 3962.4,64.76 J17.1@4039.17,141.53
NTC_P: J17.2 J18.2 | length 3866
  Top (Sig/GND) w10: J18.2@180.91,141.53 229.13,189.76 286.22,189.76 390.55,85.43 3904.33,85.43 J17.2@3960.43,141.53
OSC_N: C10.2 U1.6 X1.3 | length 195.4
  Top (Sig/GND) w6: U1.6@3999.8,835.04 3999.8,811.81 3945.71,757.72 X1.3@3945.71,725.76 3946.3,726.35 C10.2@4009.15,726.35
OSC_P: C9.2 U1.5 X1.1 | length 254.8
  Top (Sig/GND) w6: C9.2@3878.78,620.63 X1.1@3878.78,674.58 ; X1.1@3882.72,674.58 3912.25,704.11 3912.25,745.37 3980.12,813.24 U1.5@3980.12,835.04
OV_CUTOFF_EXT_N: J20.1 OP1.3 | length 2101
  Top (Sig/GND) w6: OP1.3@4973.42,486.12 OP1.3@4973.42,498.91 5007.96,498.91 5017.57,489.3 5017.57,368.53 5347.13,38.98 6653.15,38.98 6691.1,76.93 6691.1,134.54 6698.1,141.53 J20.1@6724.19,141.53
OV_CUTOFF_EXT_P: J20.2 OP1.4 | length 2061.4
  Top (Sig/GND) w6: OP1.4@5073.42,486.12 OP1.4@5073.42,498.91 5038.89,498.91 5029.57,489.6 5029.57,373.5 5352.1,50.98 6648.18,50.98 6679.1,81.9 6679.1,133.97 6671.54,141.53 J20.2@6645.45,141.53
OV_DIGITAL_IN: R39.1 R41.2 U1.4 | length 693.2
  Top (Sig/GND) w6: v1(3904.39,778.08) 3907.83,781.52 3924.71,781.52 3960.43,817.24 U1.4@3960.43,835.04
  Top (Sig/GND) w10: R41.2@3422.64,638.11 R39.1@3422.64,698.36 v1(3460.39,698.36)
  Bottom (Sig/GND) w6: v1(3460.39,698.36) 3482.41,720.38 3742.19,720.38 3791.26,769.45 3824.25,769.45 3845.87,747.83 3891.54,747.83 3900.95,757.24 3900.95,774.63 v1(3904.39,778.08)
OV_INDICATE_LED: R47.1 U1.46 | length 1188.8
  Top (Sig/GND) w6: R47.1@2912.5,665.19 2885.33,665.19 2870.8,679.72 2870.8,755.74 2973.13,858.07 3730.12,858.07 3741.48,869.43 3820.22,869.43 3850.2,899.41 U1.46@3876.38,899.41
OV_TO_CHARGER: R43.1 R45.2 U1.22 | length 2920.2
  Top (Sig/GND) w6: R45.2@2901.9,991.37 R45.2@2903.08,992.55 ; R43.1@2903.08,1048.26 R43.1@2904.26,1049.44 ; U1.22@4142.91,1037.2 4181.54,1037.2 v1(4206.7,1062.37)
  Top (Sig/GND) w20: v1(2903.08,959.68) 2903.08,992.55 R43.1@2903.08,1048.26
  Bottom (Sig/GND) w6: v1(2903.08,959.68) 3023.91,1080.51 3285.24,1080.51 3323.62,1118.9 3323.62,1538.43 3730.86,1945.67 4058.11,1945.67 4195.3,1808.48 4195.3,1074.89 4206.7,1063.48 v1(4206.7,1062.37)
SOLAR_IN: F9.3 F9.4 J11.1 J11.2 J11.3 J11.4 J11.5 J11.6 J11.7 J11.8 J11.9 J11.10 J11.11 J11.12
THERMISTOR_PCBA_ISOALTED: C22.2 NTC2.1 R54.2 U1.27 | length 3272.9
  Top (Sig/GND) w6: U1.27@4078.54,1101.57 4078.54,1195.21 4112.74,1229.41 C22.2@4112.74,1231.38 4112.74,1271.38 ; v1(4087.95,1296.16) 4112.74,1271.38 ; R54.2@4284.05,1194.45 4284.05,1195.19 4271.48,1207.77 4270.73,1207.77 4207.13,1271.38 4112.74,1271.38 ; v1(6429.53,313.09) 6453.74,288.88 NTC2.1@6456.69,288.88
  Int2 (24V) w14: v1(4087.95,1296.16) 4087.95,1315.19 4133.09,1360.32 5322.01,1360.32 6369.23,313.09 v1(6429.53,313.09)
THERMISTOR_PCBA_SHUNTS: C21.2 NTC1.1 R52.2 U1.28 | length 9338.6
  Top (Sig/GND) w6: v1(1873.82,4069.68) v1@1873.88,4069.75 ; NTC1.1@1908.46,4069.75 NTC1.1@1908.52,4069.81 ; U1.28@4058.86,1101.57 C21.2@4058.86,1221.02 v1(4058.86,1270.99) 4058.86,1318.9 4078.54,1338.58 4242.52,1338.58 4284.05,1297.05 R52.2@4284.05,1253.18
  Top (Sig/GND) w14: v1@1873.88,4069.75 NTC1.1@1908.46,4069.75
  Int4 (GND) w14: v1(1873.82,4069.68) 1900.39,4043.11 1900.39,3315.75 1632.68,3048.03 1632.68,1569.68 1483.07,1420.08 1196.65,1420.08 782.28,1005.71 782.28,328.54 1040.16,70.67 3369.88,70.67 3647.88,348.67 3647.88,875.29 3622.83,900.34 3622.83,1190.29 3703.53,1270.99 v1(4058.86,1270.99)
UV_CUTOFF_EXT_N: J19.1 OP2.3 | length 1961.6
  Top (Sig/GND) w6: OP2.3@4973.42,892.74 OP2.3@4973.42,905.53 5007.96,905.53 5017.57,895.92 5017.57,861.34 5040.71,838.2 5078.39,838.2 5220.28,696.31 5220.28,242.67 5372.79,90.16 6225.81,90.16 J19.1@6277.18,141.53
UV_CUTOFF_EXT_P: J19.2 OP2.4 | length 1857.8
  Top (Sig/GND) w6: OP2.4@5073.42,892.74 OP2.4@5073.42,905.53 5038.89,905.53 5029.57,896.21 5029.57,866.31 5045.68,850.2 5083.36,850.2 5232.28,701.28 5232.28,247.65 5377.76,102.16 6159.07,102.16 J19.2@6198.44,141.53
UV_DIGITAL_IN: R38.1 R40.2 U1.3 | length 645.5
  Top (Sig/GND) w6: v1(3866.73,778.35) 3887.46,799.08 3925.3,799.08 3940.5,814.28 U1.3@3940.5,834.79
  Top (Sig/GND) w10: R40.2@3422.64,818.87 R38.1@3422.64,758.62 v1(3460.39,758.62)
  Bottom (Sig/GND) w6: v1(3460.39,758.62) 3462.12,758.62 3482.68,738.06 3725.15,738.06 3773.62,786.53 3830.29,786.53 3838.48,778.35 v1(3866.73,778.35)
UV_INDICATE_LED: R46.1 U1.45 | length 1595
  Top (Sig/GND) w6: R46.1@2514.5,665.19 2487.33,665.19 2472.8,679.72 2472.8,755.74 2588.71,871.66 3721.1,871.66 3730.88,881.43 3797.27,881.43 3834.93,919.09 U1.45@3876.38,919.09
UV_TO_INVERTER: R42.1 R44.2 U1.21 | length 2584.4
  Top (Sig/GND) w6: R44.2@3336.04,991.37 R44.2@3337.22,992.55 ; R42.1@3337.22,1048.26 R42.1@3338.4,1049.44 ; U1.21@4142.91,1017.52 4186.68,1017.52 4196.8,1027.64 v1(4201.67,1027.64)
  Top (Sig/GND) w20: v1(3337.22,959.68) 3337.22,992.55 R42.1@3337.22,1048.26
  Bottom (Sig/GND) w6: v1(3337.22,959.68) 3337.22,1535.06 3735.83,1933.67 4053.14,1933.67 4183.3,1803.51 4183.3,1119.34 4176.55,1112.6 4176.55,1052.76 v1(4201.67,1027.64)